# Altium PCB SVEC.pcbdoc (part 10 of 18) (continued)
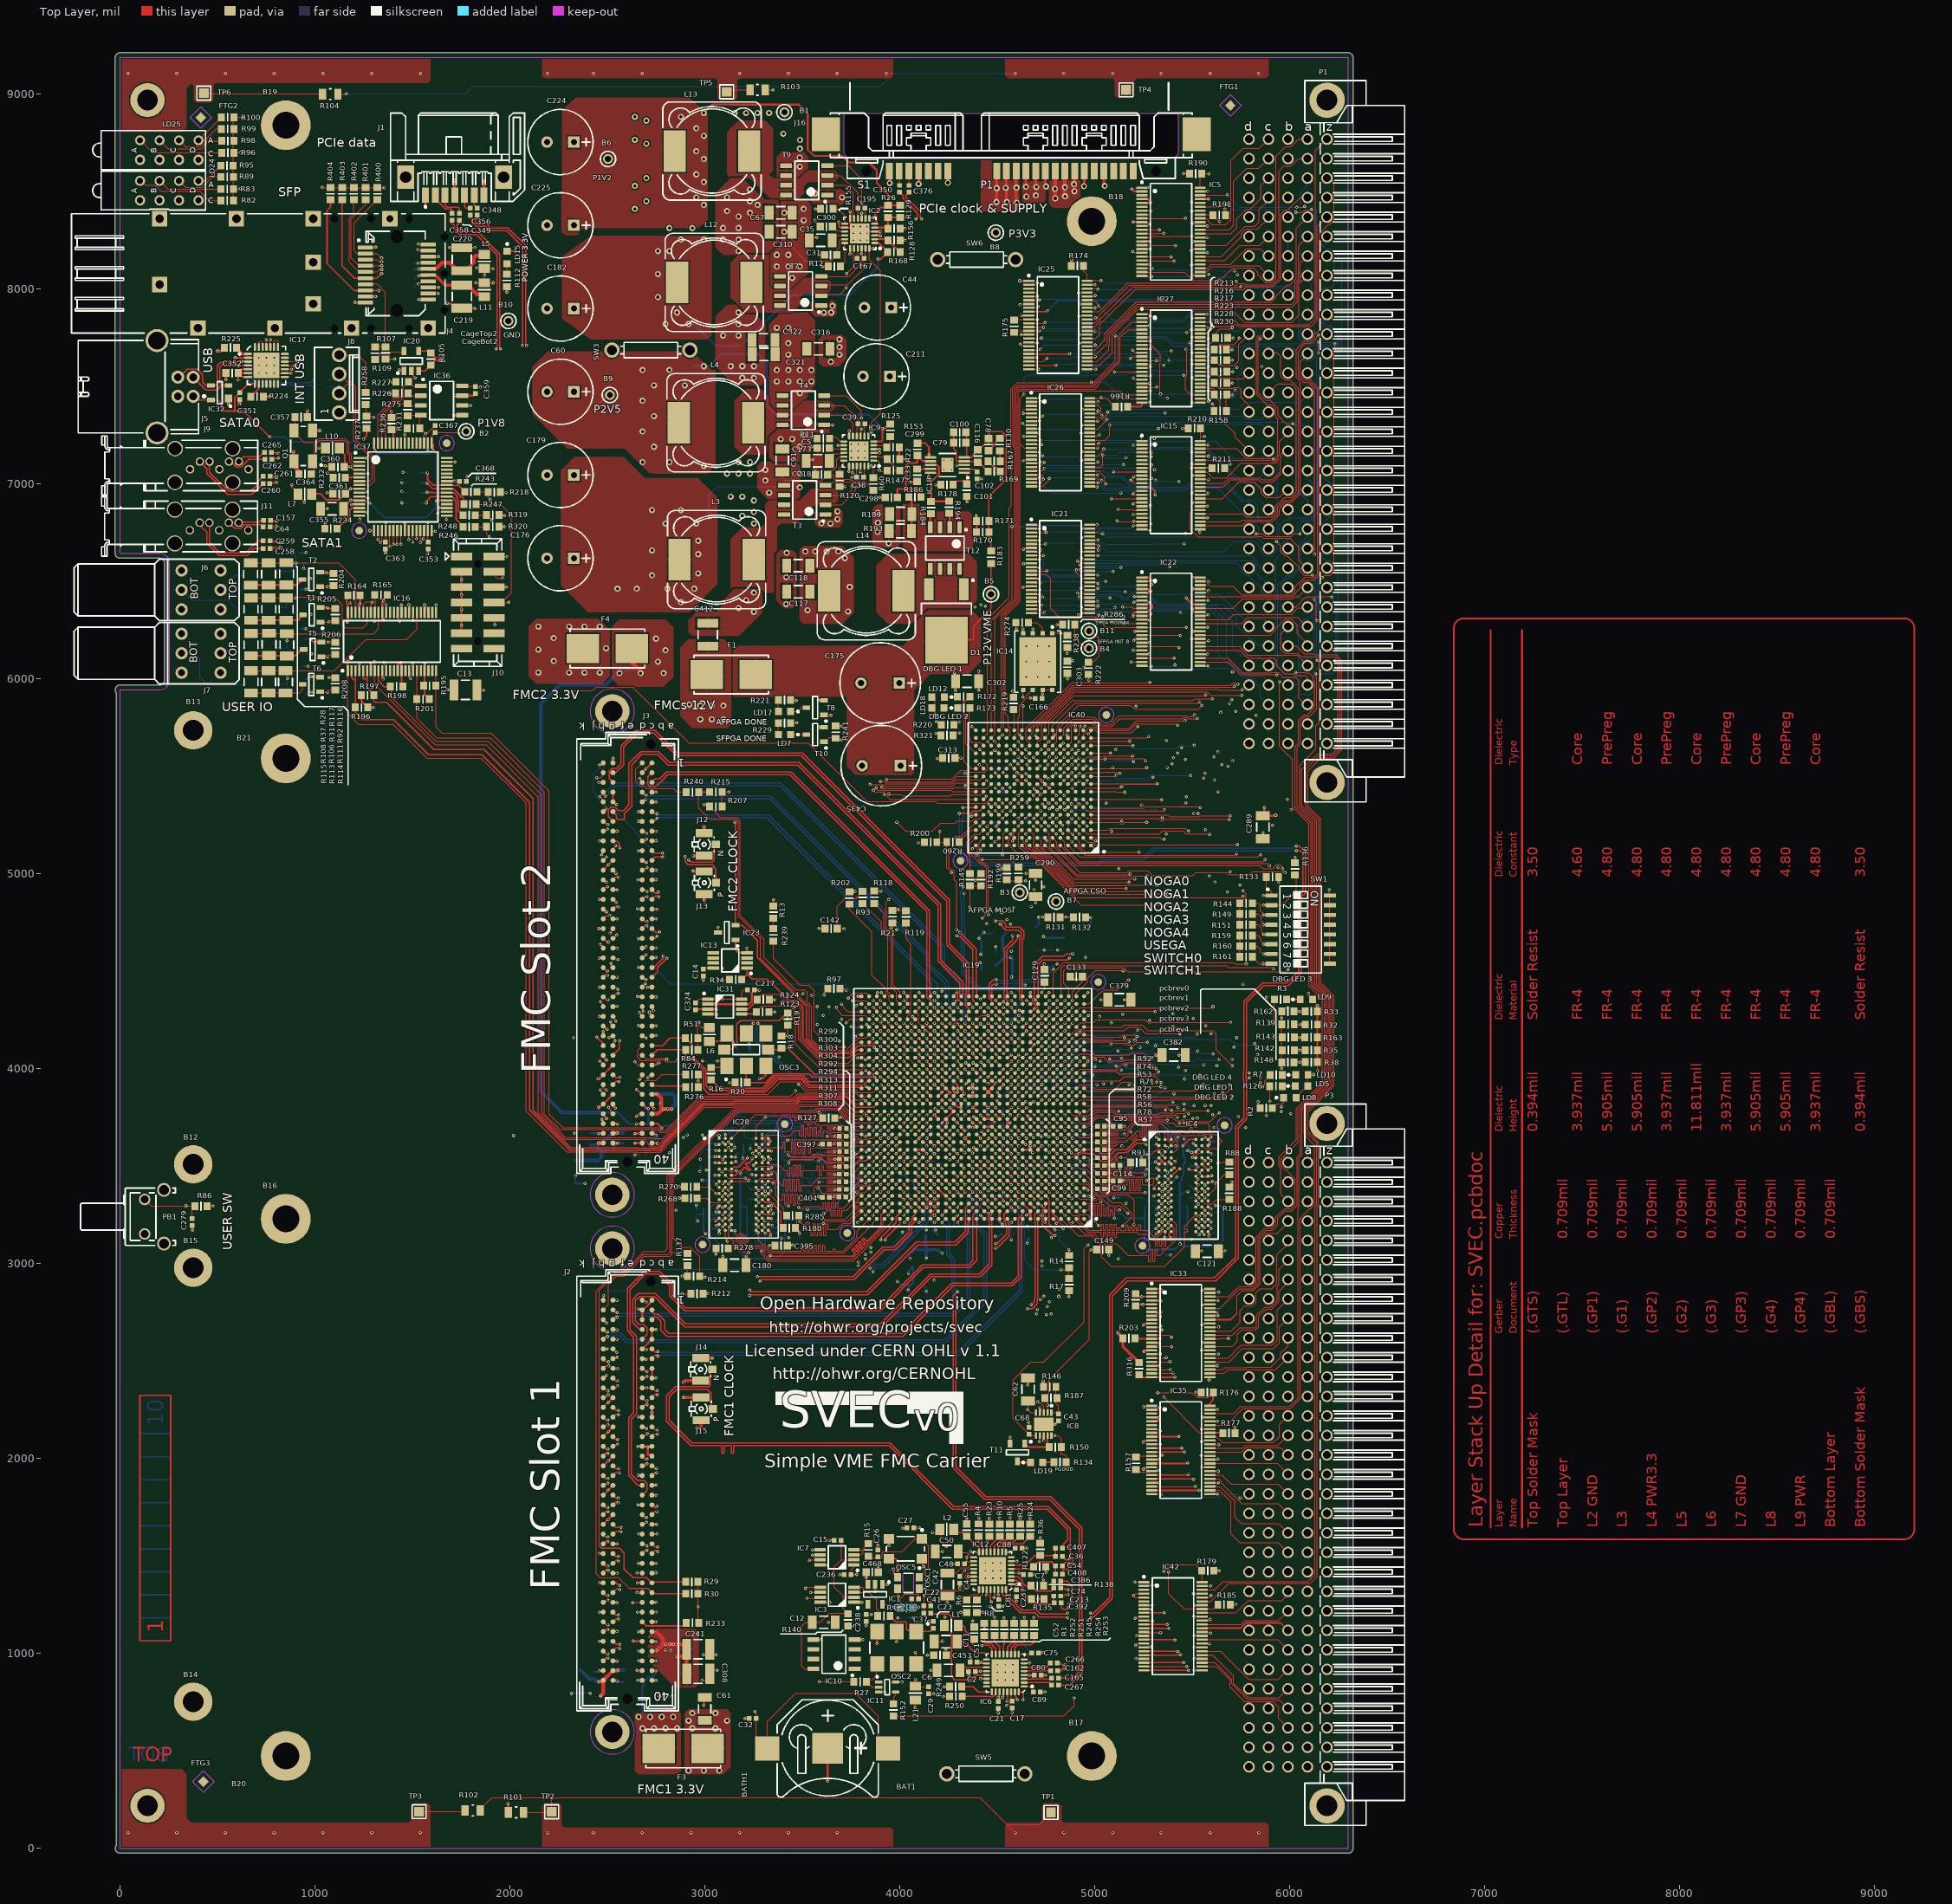
[diagram p0: Top Layer view]
## Nets (pads, with @x,y where several pads share a name; then routed paths per layer and width w, separated by ;. In a path a pad name is that pad's centre, name@x,y a point inside that pad or via, vN(x,y) a via of type N, cw(c..) or ccw(c..) an arc to the next point about the centre after c; other vN are vias at no path point) (continued)
  Top Layer w6: J1.3@1666.07,8480.73 1666.07,8431.25 1677.69,8419.64 1733.69,8419.64 1739.69,8413.64 1739.69,8400.36 C349.1@1744.05,8396
NetC350_1: C350.1 J16.S2 | length 70
  Top Layer w5: C350.1@3997.69,8531.36 J16.S2@3997.69,8601.37
NetC356_1: C356.1 J1.5 | length 90.4
  Top Layer w6: J1.5@1766.07,8480.73 1766.07,8423.25 1773.97,8415.36 C356.1@1795.69,8415.36
NetC357_2: C357.2 IC37.2 Q1.3 | length 531.7
  Top Layer w5: C357.2@897.19,7342.64 897.44,7342.39 897.44,7259.88 943.69,7213.64 1000.44,7213.64 1018.44,7231.64 1155.42,7231.64 1174.8,7212.25 1174.8,7161.95 1187.69,7149.07 1187.69,7124.64 1199.87,7112.46 IC37.2@1226.58,7112.46
NetC358_1: C358.1 J1.2 | length 144.4
  Top Layer w6: J1.2@1616.07,8480.73 1616.07,8463.75 1670.18,8409.64 1697.69,8409.64 1702.69,8404.64 C358.1@1702.69,8388.36
NetC360_2: C360.2 C365.1 IC37.4 L10.2 | length 219.8
  Top Layer w8: L10.2@1124.99,7183.51 1124.99,7177.34 1152.05,7150.28 1152.05,7097.28 1160.33,7089 v1(1181.55,7089) 1197.47,7073.09 IC37.4@1226.58,7073.09
  Bottom Layer w8: v1(1181.55,7089) 1207.05,7063.51 C365.1@1208.84,7063.51
NetC361_2: C361.2 C366.1 IC37.9 L7.2 | length 313.2
  Top Layer w8: L7.2@982.42,6958.51 991.29,6949.64 1026.42,6949.64 1058.42,6917.64 1123.69,6917.64 1180.71,6974.66 v1(1182.55,6974.66) IC37.9@1226.58,6974.66
  Bottom Layer w8: v1(1182.55,6974.66) 1196.68,6974.66 C366.1@1206.84,6964.51
NetC364_2: C364.2 IC37.3 Q1.1 | length 508.8
  Top Layer w5: C364.2@981.18,7036.64 996.69,7052.14 996.69,7197.16 1022.17,7222.64 1151.69,7222.64 1164.8,7209.53 1164.8,7157.81 1178.25,7144.36 1178.25,7115.51 1189.55,7104.21 1189.55,7103.45 1200.22,7092.77 IC37.3@1226.58,7092.77
NetC376_1: C376.1 J16.S3 | length 71
  Top Layer w5: C376.1@4046.69,8531.36 J16.S3@4046.69,8602.37
NetD2_3: D2.3 F2.1 IC16.46 R28.2 R116.2 R117.2 R244.2 | length 970.1
  Top Layer w5: R28.2@673.55,6595.59 R116.2@853.55,6595.59 1119.47,6595.59 1206.83,6508.23 1206.83,6341.82 IC16.46@1207.55,6341.11
  Bottom Layer w5: F2.1@791.26,6529.51 816.26,6554.51 822.55,6554.51 824.55,6552.51 D2.3@851.28,6552.51 877.55,6552.51 901.69,6576.64 901.69,6619.27 897.83,6623.13 897.83,6632.49 884.82,6645.51 R244.2@859.06,6645.51
  other v1: 901.69,6595.64
NetD3_3: D3.3 F5.1 IC16.43 R31.2 R37.2 R92.2 R255.2 | length 987.8
  Top Layer w5: R37.2@671.55,6414.59 R31.2@762.55,6414.59 R92.2@851.55,6414.59 893.64,6414.59 v1@894.55,6415.51 ; v1(897.55,6415.51) v1@894.55,6415.51 ; IC16.43@1266.6,6341.11 1266.6,6282.55 1246.55,6262.51 1156.55,6262.51 1141.55,6277.51 1141.55,6378.51 1101.18,6418.88 897.93,6418.88 v1@894.55,6415.51
  Bottom Layer w5: F5.1@798.26,6364.51 802.26,6368.51 854.28,6368.51 D3.3@854.41,6368.64 ; D3.3@854.41,6358.64 D3.3@854.41,6368.64 ; R255.2@863.06,6459.51 863.06,6414.51 ; v1(897.55,6415.51) 864.06,6415.51 863.06,6414.51 ; D3.3@854.41,6368.64 854.41,6380.99 863.06,6389.64 863.06,6414.51
NetD4_3: D4.3 F6.1 IC16.40 R106.2 R108.2 R111.2 R256.2 | length 941
  Top Layer w5: R108.2@671.55,6232.59 854.55,6232.59 R111.2@855.55,6231.59 ; v1(856.55,6194.51) 856.55,6230.59 R111.2@855.55,6231.59 ; IC16.40@1325.66,6341.11 1325.66,6256.61 1300.64,6231.59 R111.2@855.55,6231.59
  Bottom Layer w5: F6.1@803.26,6160.51 853.28,6160.51 D4.3@858.28,6165.51 856.55,6167.23 v1(856.55,6194.51) 855.55,6195.51 855.55,6215.51 865.06,6225.01 R256.2@865.06,6257.51
NetD5_3: D5.3 F7.1 IC16.30 R113.2 R114.2 R115.2 R257.2 | length 1236.7
  Top Layer w5: R115.2@671.55,6041.59 R113.2@761.55,6041.59 R114.2@848.55,6041.59 ; v1(858.55,6002.51) 858.55,6031.59 R114.2@848.55,6041.59 ; IC16.30@1522.51,6341.11 IC16.30@1522.51,6341.11 1522.55,6255.51 1469.55,6202.51 1259.55,6202.51 1098.64,6041.59 R114.2@848.55,6041.59
  Bottom Layer w5: F7.1@803.26,5971.51 805.26,5973.51 857.55,5973.51 ; D5.3@861.41,5960.64 857.55,5964.5 857.55,5973.51 ; R257.2@876.06,6064.51 876.06,6021.01 857.55,6002.51 857.55,5973.51
NetF2_2: F2.2 J6.2 | length 144.7
  Bottom Layer w5: J6.2@515.55,6456.01 589.05,6529.51 F2.2@629.85,6529.51
NetF5_2: F5.2 J6.1 | length 359.2
  Bottom Layer w5: J6.1@315.55,6456.01 367.05,6404.51 552.55,6404.51 592.55,6364.51 F5.2@636.85,6364.51
NetF6_2: F6.2 J7.2 | length 138.5
  Bottom Layer w5: J7.2@515.55,6131.01 536.05,6131.01 565.55,6160.51 F6.2@641.85,6160.51
NetF7_2: F7.2 J7.1 | length 448.6
  Bottom Layer w5: J7.1@315.55,6131.01 382.05,6131.01 408.55,6104.51 408.55,6008.51 445.55,5971.51 F7.2@641.85,5971.51
NetIC2_2: IC2.2 R128.2 R168.1 | length 156.8
  Top Layer w10: IC2.2@3870.7,8255.35 3932.96,8255.35 R128.2@3938.43,8249.88 3998.43,8189.88 R168.1@4000.42,8189.88
NetIC2_5: IC2.5 R26.2 R129.1 R156.1 | length 188.3
  Top Layer w10: IC2.5@3870.7,8314.4 3933.9,8314.4 R156.1@3938.43,8309.88 3938.43,8365.88 R26.2@3938.92,8366.38 R129.1@4000.92,8366.38
NetIC2_9: IC2.9 T9.4 | length 408.7
  Top Layer w5: T9.4@3628.22,8631.93 3735.13,8631.93 3805.55,8561.51 v1(3805.55,8441.51) ; v1(3803.55,8388.51) 3803.55,8361.86 IC2.9@3803.77,8361.65
  Bottom Layer w5: v1(3803.55,8388.51) 3805.55,8390.51 3806.55,8390.51 3805.55,8391.51 v1(3805.55,8441.51)
NetIC2_11: IC2.11 T9.2 | length 282.3
  Top Layer w5: T9.2@3628.22,8531.93 3723.13,8531.93 3760.55,8494.51 3760.55,8365.49 IC2.11@3764.4,8361.65
NetIC2_13: IC2.13 R155.2 | length 116.4
  Top Layer w5: R155.2@3655.91,8410.83 3680.23,8410.83 3717.15,8373.91 IC2.13@3717.15,8334.09
NetIC2_18: IC2.18 R12.2 | length 129.2
  Top Layer w5: R12.2@3695.28,8115.55 3717.15,8137.43 IC2.18@3717.15,8235.66
NetIC2_20: IC2.20 T7.2 | length 364.4
  Top Layer w5: T7.2@3596.85,7964.51 3605.85,7973.51 3693.55,7973.51 v1(3725.55,8005.51) ; v1(3726.55,8079.51) 3761.5,8114.46 3761.5,8205.21 IC2.20@3764.4,8208.1
  Bottom Layer w5: v1(3725.55,8005.51) 3726.55,8006.51 v1(3726.55,8079.51)
NetIC2_22: IC2.22 T7.4 | length 317
  Top Layer w5: T7.4@3596.85,8064.51 3597.23,8064.13 3737.18,8064.13 3793.55,8120.51 v1(3800.55,8120.51) ; v1(3802.55,8181.51) 3803.77,8182.72 IC2.22@3803.77,8208.1
  Bottom Layer w5: v1(3800.55,8120.51) 3800.55,8130.51 3799.55,8131.51 3802.55,8134.51 v1(3802.55,8181.51)
NetIC3_3: IC3.3 IC3.4 R9.2 | length 288.4
  Top Layer w5: IC3.3@3764.17,1313.8 3811.55,1313.8 ; IC3.4@3764.17,1339.39 3807.67,1339.39 3812.55,1334.51 3812.55,1314.8 3811.55,1313.8 ; R9.2@3886.06,1192 3886.06,1222 3879.55,1228.51 3879.55,1274.51 3840.26,1313.8 3811.55,1313.8
NetIC6_10: IC6.10 R253.2 | length 177.3
  Top Layer w6: IC6.10@4589.77,995.96 4589.77,1030.72 4602.55,1043.51 4672.55,1043.51 4688.08,1059.03 R253.2@4688.08,1091.51
NetIC6_11: IC6.11 R254.2 | length 140.9
  Top Layer w6: IC6.11@4570.08,995.96 4570.08,1029.03 4598.55,1057.51 4628.55,1057.51 4637.08,1066.03 R254.2@4637.08,1091.51
NetIC6_12: IC6.12 R245.2 | length 110.3
  Top Layer w6: IC6.12@4550.4,995.96 4550.4,1030.35 4586.08,1066.03 R245.2@4586.08,1091.51
NetIC6_13: IC6.13 R251.2 | length 97.4
  Top Layer w6: IC6.13@4530.71,995.96 4530.71,1043.66 4535.08,1048.03 R251.2@4535.08,1091.51
NetIC6_14: IC6.14 R252.2 | length 106.3
  Top Layer w6: R252.2@4485.08,1091.51 4485.08,1060.98 4511.03,1035.03 IC6.14@4511.03,995.96
NetIC6_15: IC6.15 R1.2 | length 133.7
  Top Layer w6: R1.2@4433.08,1091.51 4433.08,1058.98 4439.55,1052.51 4463.55,1052.51 4491.34,1024.72 IC6.15@4491.34,995.96
NetIC6_25: IC6.25 R249.2 | length 165.8
  Top Layer w6: R249.2@4317.05,830 4376.06,830 4403.01,803.05 IC6.25@4471.66,803.05
NetIC6_26: IC6.26 R250.2 | length 192
  Top Layer w6: R250.2@4318.05,780 4463.23,780 4465.9,777.33 4477.42,777.33 4491.34,791.26 IC6.26@4491.34,803.05
NetIC7_3: IC7.3 IC7.4 R15.2 | length 157.8
  Top Layer w4.75: IC7.3@3763.17,1505.8 3801.8,1505.8 3810.69,1514.69 3810.69,1531.39 ; IC7.4@3763.17,1531.39 3810.69,1531.39 ; R15.2@3838,1562.5 3810.69,1535.18 3810.69,1531.39
NetIC8_9: IC8.9 R150.1 T11.1 | length 194.9
  Top Layer w10: T11.1@4639.96,2076.78 4658.23,2058.51 R150.1@4765.06,2058.51 4757.24,2066.32 IC8.9@4757.24,2117.45
NetIC9_2: IC9.2 R22.2 R147.1 | length 173.8
  Top Layer w5: IC9.2@3865.33,7138.98 3923.59,7138.98 R22.2@3935.06,7127.51 3967.69,7094.88 3967.69,7074.64 3973.82,7068.51 R147.1@3998.05,7068.51
NetIC9_5: IC9.5 R125.2 R153.1 | length 135
  Top Layer w5: IC9.5@3865.33,7198.03 3922.53,7198.03 R153.1@3933.06,7187.51 3948.55,7203 R125.2@3948.55,7244.01
NetIC9_9: IC9.9 T4.4 | length 354.4
  Top Layer w5: T4.4@3610.85,7452.51 3723.55,7452.51 3802.55,7373.51 v1(3802.55,7336.51) ; IC9.9@3798.4,7245.28 3798.4,7265.91 3801.58,7269.1 3801.58,7280.53 v1(3802.55,7281.51)
  Bottom Layer w5: v1(3802.55,7281.51) v1(3802.55,7336.51)
NetIC9_11: IC9.11 T4.2 | length 231.1
  Top Layer w5: T4.2@3610.85,7352.51 3717.55,7352.51 3759.03,7311.03 IC9.11@3759.03,7245.28
NetIC9_13: IC9.13 R11.2 | length 83.2
  Top Layer w5: R11.2@3638.05,7240.51 3671.55,7240.51 3694.34,7217.72 IC9.13@3711.78,7217.72
NetIC9_18: IC9.18 R120.2 | length 79.1
  Top Layer w5: R120.2@3690.55,7049 3690.55,7079.51 3711.78,7100.73 IC9.18@3711.78,7119.29
NetIC9_20: IC9.20 T3.2 | length 319.6
  Top Layer w4: T3.2@3617.85,6892.51 3699.55,6892.51 3702.64,6895.59
  Top Layer w5: 3702.64,6895.59 3771.55,6964.51 3771.55,6979.51 v1(3775.55,6983.51) ; v1(3758.55,7057.51) 3758.55,7091.26 IC9.20@3759.03,7091.73
  Bottom Layer w5: v1(3758.55,7057.51) 3775.55,7040.51 v1(3775.55,6983.51)
NetIC9_22: IC9.22 T3.4 | length 314.3
  Top Layer w5: T3.4@3617.85,6992.51 3637.55,6992.51 3656.27,7011.23 3742.95,7011.23 3749.42,7004.76 3758.7,7004.76 3759.95,7003.51 3785.55,7003.51 v1(3795.55,6993.51) ; IC9.22@3798.4,7091.73 3798.4,7062.66 v1(3798.55,7062.51)
  Bottom Layer w5: v1(3795.55,6993.51) 3795.55,7032.51 3796.55,7033.51 ; 3796.55,7011.51 3796.55,7033.51 ; v1(3798.55,7062.51) 3796.55,7060.51 3796.55,7033.51
NetIC11_2: IC11.2 OSC2.4 R27.1 | length 220.2
  Top Layer w5: OSC2.4@3883.55,947.32 3883.55,914.51 3879.55,910.51 3879.55,887.51 3857.55,865.5 3818.55,865.5 3857.05,827 IC11.2@3891.25,827
NetIC11_4: IC11.4 R152.1 | length 68.5
  Top Layer w5: R152.1@3968.05,737 3968.05,776.51 3977.86,786.32 IC11.4@3977.86,801.41
NetIC12_10: IC12.10 R24.2 | length 186.9
  Top Layer w6: IC12.10@4523.77,1520.46 4523.77,1535.72 4540.84,1552.79 4543.67,1552.79 4552.38,1561.51 4629.55,1561.51 R24.2@4668.55,1600.51
NetIC12_11: IC12.11 R25.2 | length 161.2
  Top Layer w6: IC12.11@4504.08,1520.46 4504.08,1547.03 4520.84,1563.79 4539.11,1563.79 4547.83,1572.51 4584.27,1572.51 4612.27,1600.51 R25.2@4616.55,1600.51
NetIC12_12: IC12.12 R5.2 | length 128.7
  Top Layer w6: IC12.12@4484.4,1520.46 4484.4,1548.35 4510.84,1574.79 4534.55,1574.79 4560.27,1600.51 R5.2@4563.55,1600.51
NetIC12_13: IC12.13 R10.2 | length 99.5
  Top Layer w6: IC12.13@4464.71,1520.46 4464.71,1553.66 R10.2@4511.55,1600.51
NetIC12_14: IC12.14 R23.2 | length 85.7
  Top Layer w6: IC12.14@4445.03,1520.46 4445.03,1560.98 4453.55,1569.51 4453.55,1595.51 R23.2@4458.55,1600.51
NetIC12_15: IC12.15 R4.2 | length 90.1
  Top Layer w6: R4.2@4403.55,1601.51 4403.55,1569.51 4425.34,1547.72 IC12.15@4425.34,1520.46
NetIC12_25: IC12.25 R6.2 | length 96
  Top Layer w5: R6.2@4342.55,1273.5 4371.56,1302.51 4398.55,1302.51 4405.66,1309.61 IC12.25@4405.66,1327.55
NetIC12_26: IC12.26 R8.2 | length 66.8
  Top Layer w5: R8.2@4394.55,1273.5 4425.34,1304.29 IC12.26@4425.34,1327.55
NetIC14_2: IC14.2 R274.1 | length 110.8
  Top Layer w5: R274.1@4658.05,6288.51 4702.55,6288.51 4731.55,6259.51 IC14.2@4731.55,6234.18
NetIC17_1: IC17.1 R225.2 | length 64.5
  Top Layer w15: R225.2@601.94,7691.39 626.63,7666.7 IC17.1@656.2,7666.7
NetIC17_9: IC17.9 R224.1 | length 82.1
  Top Layer w8: R224.1@671.19,7447.64 711.32,7487.77 IC17.9@711.32,7513.15
NetIC17_16: IC17.16 R262.2 | length 966.9
  Top Layer w4: IC17.16@845.18,7568.27 876.32,7568.27 v1(876.69,7568.64)
  L5 w4: v1(876.69,7568.64) 892.69,7552.64 892.69,7492.7 1243.68,7141.71 1243.68,7123.45 1444.69,6922.44 v1(1444.69,6902.64)
  Bottom Layer w4: v1(1444.69,6902.64) 1477.19,6902.64 R262.2@1478.19,6901.64
NetIC17_17: IC17.17 R263.2 | length 948.6
  Top Layer w4: IC17.17@845.18,7587.96 845.86,7588.64 v1(879.69,7588.64)
  L5 w4: v1(879.69,7588.64) 900.69,7567.64 900.69,7496.01 1251.68,7145.02 1251.68,7126.76 1417.8,6960.64 v1(1445.69,6960.64)
  Bottom Layer w4: v1(1445.69,6960.64) 1451.69,6954.64 R263.2@1478.19,6954.64
NetIC17_18: IC17.18 R279.2 | length 935.9
  Top Layer w4: IC17.18@845.18,7607.64 847.18,7605.64 v1(893.69,7605.64)
  L5 w4: v1(893.69,7605.64) 908.69,7590.64 908.69,7499.33 1257.71,7150.31 1267.37,7150.31 1412.04,7005.64 v1(1445.69,7005.64)
  Bottom Layer w4: v1(1445.69,7005.64) R279.2@1478.19,7005.64
NetIC17_19: IC17.19 R315.2 | length 937.7
  Top Layer w4: IC17.19@845.18,7627.33 910,7627.33 v1(911.69,7625.64)
  L5 w4: v1(911.69,7625.64) 916.69,7620.64 916.69,7502.64 1261.02,7158.31 1270.69,7158.31 1369.35,7059.64 v1(1450.69,7059.64)
  Bottom Layer w4: v1(1450.69,7059.64) 1451.69,7058.64 R315.2@1478.19,7058.64
NetIC17_22: IC17.22 IC17.23 | length 85.6
  Top Layer w4: IC17.23@790.06,7702.13 790.06,7733.01 793.69,7736.64 806.69,7736.64 810.69,7732.64 810.69,7703.07 IC17.22@809.74,7702.13
NetIC17_26: IC17.26 IC17.27 | length 73.5
  Top Layer w4: IC17.27@711.32,7702.13 711.32,7727.32 715,7731 728,7731 731,7728 IC17.26@731,7702.13
NetIC18_8: IC18.8 R184.2 R194.1 | length 342.3
  Top Layer w10: IC18.8@4149.1,7095.51 4150.23,7096.64 4189.69,7096.64 4199.69,7086.64 4199.69,7050.64 4159.55,7010.51 R184.2@4159.55,6910 4250.55,6910 R194.1@4252.55,6912
NetIC19_A21: IC19.A21 IC19.C20 | length 95.5
  Top Layer w4: IC19.A21@4157.02,3229.64 4157.02,3247.36 4162.83,3253.17 4163.58,3253.17 4173.69,3263.28 4173.69,3271.02 4196.39,3293.72 IC19.C20@4196.39,3308.38
NetIC19_AB27: IC19.AB27 R239.2 | length 1054.7
  Top Layer w5: R239.2@3350.55,4655.01 3350.55,4564.77 3487.69,4427.64 3531.69,4427.64 3560.18,4399.15 3560.18,4192.88 3642.42,4110.64 v1(3713.69,4110.64) ; v1(3901.11,4076.1) IC19.AB27@3920.8,4056.41
  L5 w4: v1(3713.69,4110.64) 3732.39,4129.34 3908.99,4129.34 3914.69,4123.64 3914.69,4121.64 3914.99,4121.34 3914.99,4094.94 3901.11,4081.07 v1(3901.11,4076.1)
NetIC19_AC25: IC19.AC25 R21.2 | length 676.1
  Top Layer w5: v1(3954.55,4716.51) 3961.55,4723.51 R21.2@3961.55,4748.01 ; v1@3978.55,4116.51 3978.55,4115.51 v1(3979.85,4115.47) IC19.AC25@3999.54,4095.78
  L5 w5: v1(3954.55,4716.51) 3964.43,4706.63 3964.43,4130.89 v1(3979.85,4115.47)
NetIC19_AF12: IC19.AF12 R242.1 | length 163.8
  Top Layer w5: 4499.55,4228.51 4499.55,4225.69 IC19.AF12@4511.35,4213.89
  Bottom Layer w5: v1(4491.66,4233.58) 4506.75,4233.58 4526.69,4213.64 4533.42,4213.64 4556.03,4191.03 4556.03,4188.25 4565.15,4179.13 4610.9,4179.13 R242.1@4611.55,4179.79
NetIC19_B21: IC19.B21 IC19.D20 | length 134.4
  Top Layer w4: IC19.B21@4157.02,3269.01 4157.02,3285.98 4141.18,3301.82 4141.18,3315.13 4150.27,3324.22 4164.11,3324.22 4169.32,3319.01 4182.41,3319.01 4195.69,3332.29 4195.69,3347.05 IC19.D20@4196.39,3347.75
NetIC19_E12: IC19.E12 R235.1 | length 48.5
  Top Layer w5: IC19.E12@4511.35,3387.12 4529.96,3368.51 v1@4530.55,3368.51
  Bottom Layer w15: v1(4531.03,3367.44) 4532.97,3365.5 R235.1@4532.97,3346.64
NetIC19_H9: IC19.H9 R14.1 R17.2 | length 816.8
  Top Layer w5: IC19.H9@4629.46,3505.23 v1(4649.14,3485.55) ; v1(4825.55,2969.51) 4858.05,2969.51 R14.1@4867.55,2979.01 R17.2@4867.55,2923
  Bottom Layer w5: v1(4649.14,3485.55) 4636.11,3472.51 4634.55,3472.51 4634.55,3431.51 4630.55,3427.51 4630.55,3299.51 4633.69,3296.37 4633.69,3275.64 4633.52,3275.47 4633.52,3238.43 4638.31,3233.64 4638.31,3172.64 4639.31,3171.64 4639.31,3016.75 4686.55,2969.51 v1(4825.55,2969.51)
NetIC19_H25: IC19.H25 IC40.C12 | length 2473.9
  Top Layer w5: v1@3983.55,3490.51 3998.28,3505.23 IC19.H25@3999.54,3505.23 ; v1@4528.55,5094.51 4528.55,5205.77 IC40.C12@4546.76,5223.97
  L6 w4: v1@3983.55,3490.51 3962.55,3511.51 3962.55,3565.77 3938.55,3589.78 3934.74,3589.78 3800.55,3723.96 3800.55,4931.51 3850.55,4981.51 4172.55,4981.51 4275.55,5084.51 4380.55,5084.51 v1(4390.55,5094.51)
  Bottom Layer w5: v1(4390.55,5094.51) 4524.55,5094.51 v1(4527.55,5097.51)
  other v1: 3979.85,3485.55
NetIC19_L7: IC19.L7 R91.1 | length 552.6
  Top Layer w5: v1@4689.55,3606.51 4706.39,3623.34 IC19.L7@4708.2,3623.34 ; v1(5133.55,3543.51) 5159.82,3543.51 5176.06,3527.27 R91.1@5176.06,3519.51
  L3 w5: v1(4688.51,3603.66) 4703.53,3588.64 4761.69,3588.64 4763.69,3586.64 4896.71,3586.64 4904.69,3578.66 4939.69,3578.66 4957.84,3560.51 5103.55,3560.51 5120.55,3543.51 v1(5133.55,3543.51)
NetIC19_L25: IC19.L25 R127.1 | length 416.1
  Top Layer w5: R127.1@3666.05,3746.51 3690.55,3746.51 3694.55,3750.51 v1(3695.55,3750.51)
  Top Layer w10: 3985.55,3610.51 3986.7,3610.51 IC19.L25@3999.54,3623.34
  Bottom Layer w5: v1(3695.55,3750.51) 3727.55,3718.51 3866.55,3718.51 3883.55,3701.51 3910.55,3701.51 3925.18,3686.88 3925.18,3672.15 3937.69,3659.64 3944.2,3659.64 3954.86,3648.98 3954.86,3628.65 v1(3979.85,3603.66)
NetIC20_5: IC20.5 R109.1 | length 181.6
  Top Layer w5: R109.1@1290.55,7643.01 1311.06,7643.01 1345.83,7677.79 1452.25,7677.79 IC20.5@1456.15,7681.69
NetIC36_1: IC36.1 IC37.63 R227.1 | length 467.8
  Top Layer w5: IC37.63@1323.03,7208.92 1323.03,7354.27 1407.08,7438.32 1434.32,7438.32 1451.27,7455.27 1451.27,7494.22 1478.48,7521.44 R227.1@1478.48,7523.51 1499.48,7502.51 IC36.1@1542.69,7502.51
NetIC36_2: IC36.2 IC37.62 R226.1 | length 400
  Top Layer w5: IC37.62@1342.72,7208.92 1342.72,7359.81 1411.23,7428.32 1438.46,7428.32 1475.64,7465.51 R226.1@1476.48,7465.51 1489.48,7452.51 IC36.2@1542.69,7452.51
NetIC36_3: IC36.3 IC37.61 R275.2 | length 360
  Top Layer w5: IC37.61@1362.4,7208.92 1362.4,7365.36 1409.05,7412 R275.2@1474.99,7412 1484.48,7402.51 IC36.3@1542.69,7402.51
NetIC36_4: IC36.4 R231.1 R275.1 | length 139.7
  Top Layer w5: R275.1@1474.99,7349.01 1478.48,7352.51 IC36.4@1542.69,7352.51 1536.48,7346.3 R231.1@1536.48,7284.51
NetIC37_6: IC37.6 R232.2 | length 55.7
  Top Layer w8: R232.2@1170.84,7033.72 IC37.6@1226.58,7033.72
NetIC37_7: IC37.7 J8.2 R121.1 | length 769.5
  Top Layer w5: J8.2@1123.69,7464.43 1123.69,7468.64 1167.69,7512.64 1183.69,7512.64 1198.69,7497.64 1198.69,7224.64 1294.69,7128.64 1294.69,7027.64 1281.08,7014.03 IC37.7@1226.58,7014.03
  Bottom Layer w5: R121.1@1061.18,7486.64 1073.18,7498.64 1090.69,7498.64 1123.69,7465.64 J8.2@1123.69,7464.43
NetIC37_8: IC37.8 J8.3 R154.1 | length 797.6
  Top Layer w5: J8.3@1123.69,7562.85 1126.48,7562.85 1165.32,7524 1185.05,7524 1208.69,7500.37 1208.69,7228.64 1304.69,7132.64 1304.69,7016.64 1282.4,6994.35 IC37.8@1226.58,6994.35
  Bottom Layer w5: R154.1@1061.18,7538.64 1065.18,7534.64 1095.48,7534.64 J8.3@1123.69,7562.85
NetIC37_14: IC37.14 R234.1 | length 177.1
  Top Layer w8: R234.1@1112.48,6770.51 1114.55,6770.51 1172.12,6828.07 1172.97,6828.07 1178.25,6833.34 1178.25,6866.2 1188.29,6876.24 IC37.14@1226.58,6876.24
NetIC37_59: IC37.59 R236.1 R237.2 R258.2 | length 310.6
  Top Layer w5: R258.2@1259.69,7406.14 1263.55,7402.28 R237.2@1263.55,7347 1294.06,7347 v1(1299.55,7341.51) ; v1(1385.55,7307.51) 1385.55,7284.44 R236.1@1391.99,7278.01
  Top Layer w8: R236.1@1380.55,7279.51 1401.77,7258.29 IC37.59@1401.77,7208.92
  Bottom Layer w5: v1(1299.55,7341.51) 1351.55,7341.51 v1(1385.55,7307.51)
NetIC40_C4: IC40.C4 R131.1 R132.2 | length 550.7
  Top Layer w6: R131.1@4822.05,4776.51 v1(4851.55,4776.51) R132.2@4889.06,4776.51 ; IC40.C4@4861.72,5223.97 4883.18,5202.51 v1(4886.55,5202.51)
  L3 w6: v1(4851.55,4776.51) v1@4851.55,4777.51
  L5 w6: v1@4851.55,4777.51 4851.55,5116.51 4854.03,5116.51 4896.28,5158.75 4896.28,5192.78 v1(4886.55,5202.51)
NetIC40_L11: IC40.L11 R321.1 | length 424.4
  Top Layer w5: R321.1@4273.05,5721.51 v1(4307.55,5721.51) ; v1(4566.44,5558.62) IC40.L11@4586.13,5538.93
  L6 w5: v1(4307.55,5721.51) 4464.55,5721.51 4552.07,5633.99 4552.07,5631.4 4566.44,5617.03 v1(4566.44,5558.62)
NetJ3_c34: J3.c34 R276.2 | length 177.3
  Top Layer w6: J3.c34@2728.05,3918.51 2736.05,3910.51 R276.2@2902.06,3910.51
NetLD5_1: LD5.1 R126.2 | length 51.9
  Top Layer w5: R126.2@5960.05,3910.51 6009.33,3910.51 LD5.1@6011.19,3908.64
NetLD7_1: LD7.1 T10.3 | length 80.7
  Top Layer w4: LD7.1@3439.37,5713.98 T10.3@3520.08,5713.98
NetLD7_2: LD7.2 R229.1 | length 59.1
  Top Layer w4: LD7.2@3376.38,5713.98 R229.1@3376.38,5773.03
NetLD8_1: LD8.1 R2.2 | length 94.7
  Top Layer w5: R2.2@5910.18,3797.64 5933.18,3820.64 5961.69,3820.64 5968.19,3827.14 LD8.1@5968.19,3851.64
NetLD9_1: LD9.1 R3.2 | length 70.2
  Top Layer w10: R3.2@5983.05,4355.51 5983.18,4355.64 LD9.1@6053.19,4355.64
NetLD10_1: LD10.1 R7.2 | length 67.6
  Top Layer w5: R7.2@5961.05,3967.51 LD10.1@6028.69,3967.51
NetLD12_1: LD12.1 R172.2 | length 50.2
  Top Layer w5: LD12.1@4243.18,5907.64 4244.05,5908.51 R172.2@4293.06,5908.51
NetLD15_2: LD15.2 R112.1 | length 55.8
  Top Layer w5: R112.1@1983.74,8075.18 1985.74,8077.18 LD15.2@1985.74,8130.19
NetLD17_1: LD17.1 T8.3 | length 88.9
  Top Layer w4: LD17.1@3439.37,5832.09 3477.14,5832.09 3496.82,5851.77 T8.3@3520.08,5851.77
NetLD17_2: LD17.2 R221.1 | length 59.1
  Top Layer w4: LD17.2@3376.38,5832.09 R221.1@3376.38,5891.14
NetLD18_1: LD18.1 R173.2 | length 54.9
  Top Layer w5: LD18.1@4241.18,5850.64 4241.32,5850.51 R173.2@4296.06,5850.51
NetLD19_1: LD19.1 T11.3 | length 70.3
  Top Layer w10: T11.3@4602.55,1986.23 4609.28,1979.51 LD19.1@4670.06,1979.51
NetLD19_2: LD19.2 R134.1 | length 57.8
  Top Layer w10: LD19.2@4733.05,1979.51 4735.05,1981.51 R134.1@4790.06,1981.51
NetLD24_2: LD24.2 R82.2 | length 463.8
  Top Layer w5: LD24.2@102.55,8554.51 102.55,8546.51 104.69,8548.64 115.69,8548.64 131.82,8532.51 177.76,8532.51 208.85,8501.42 408.64,8501.42 456.55,8453.51 R82.2@518.06,8453.51
NetLD24_4: LD24.4 R83.2 | length 333.8
  Top Layer w5: LD24.4@202.55,8554.51 245.64,8511.42 516.97,8511.42 R83.2@518.06,8512.51
NetLD24_6: LD24.6 R89.2 | length 251.2
  Top Layer w5: LD24.6@302.55,8554.51 335.64,8521.42 421.46,8521.42 474.55,8574.51 R89.2@518.06,8574.51
NetLD24_8: LD24.8 R95.2 | length 146.8
  Top Layer w5: LD24.8@402.55,8554.51 439.06,8554.51 R95.2@517.06,8632.51
NetLD25_2: LD25.2 R96.2 | length 445
  Top Layer w5: LD25.2@102.55,8762.51 166.55,8698.51 R96.2@521.06,8698.51
NetLD25_4: LD25.4 R98.2 | length 361.2
  Top Layer w5: LD25.4@202.55,8762.51 245.64,8719.42 420.4,8719.42 445.64,8744.66 445.64,8758.8 446.35,8759.51 R98.2@521.06,8759.51
NetLD25_6: LD25.6 R99.2 | length 277.2
  Top Layer w5: LD25.6@302.55,8762.51 335.64,8729.42 416.26,8729.42 435.64,8748.8 435.64,8762.94 493.21,8820.51 R99.2@520.06,8820.51
NetLD25_8: LD25.8 R100.2 | length 166.7
  Top Layer w5: LD25.8@402.55,8762.51 402.55,8763 R100.2@520.06,8880.51
NetR13_2: R13.2 R239.1 | length 53
  Top Layer w5: R239.1@3350.55,4718 R13.2@3350.55,4771.01
NetR28_1: R28.1 R116.1 R117.1 T2.3 | length 273.4
  Top Layer w10: R28.1@673.55,6481.42 R116.1@853.55,6481.42 907.19,6481.42 T2.3@935.28,6509.51
NetR31_1: R31.1 R37.1 R92.1 T1.3 | length 278.4
  Top Layer w10: R37.1@671.55,6300.42 R31.1@762.55,6300.42 R92.1@851.55,6300.42 910.19,6300.42 T1.3@938.28,6328.51
NetR101_1: R101.1 R102.1 TP1.1 TP2.1 | length 3333.2
  Top Layer w5: R102.1@1847.92,194.51 1847.92,201.88 1907.27,261.22 2215.22,261.22 2213.55,259.55 TP2.1@2213.55,187.51 2210.55,184.51 R101.1@2069.92,184.51 ; 2203,261.22 4410.34,261.22 4548.13,123.43 ; v1@3177.55,81.51 v1(3178.05,81.01) ; v1(4590.55,81.01) 4548.13,123.43 ; TP1.1@4774.55,184.51 4713.48,123.43 4548.13,123.43
  other v1: 2190.55,81.01 2428.05,81.01 2678.05,81.01 2928.05,81.01 3428.05,81.01 3678.05,81.01 4840.55,81.01 5090.55,81.01 5340.55,81.01 5590.55,81.01 5840.55,81.01
NetR102_2: pad.E2 R102.2 TP3.1 | length 237
  Top Layer w5: TP3.1@1533.55,188.51 R102.2@1770.55,188.51
  other v1: 40.55,81.01 290.55,81.01 540.55,81.01 790.55,81.01 1040.55,81.01 1290.55,81.01 1540.55,81.01
NetR103_1: R103.1 R104.1 TP4.1 TP5.1 | length 3655.5
  Top Layer w5: R104.1@1122.65,8997.38 1124.91,8999.64 1159.69,8999.64 v1(1160.55,9000.51) ; TP5.1@3111.55,9011.51 3121.11,9021.07 R103.1@3230.71,9021.07
  Bottom Layer w5: v1@1162.69,9000.64 1768.69,9000.64 1806.55,9038.51 3900.51,9038.51 3931,9069 3931,9106 v1(4590.55,9106)
  other v1: 2190.55,9106.01 2428.05,9106.01 2678.05,9106.01 3178.05,9106.01 3428.05,9106.01 3678.05,9106.01 3928.05,9106.01 4840.55,9106 5090.55,9106 5340.55,9106 5590.55,9106 5840.55,9106
NetR104_2: pad.E1 R104.2 TP6.1 | length 614.4
  Top Layer w5: TP6.1@429.55,9004.51 432.68,9001.38 R104.2@1042.69,9001.38
  other v1: 40.55,9106.01 290.55,9106.01 540.55,9106.01 790.55,9106.01 1040.55,9106.01 1290.55,9106.01 1540.55,9106.01
NetR106_1: R106.1 R108.1 R111.1 T5.3 | length 284
  Top Layer w10: R108.1@671.55,6118.42 898.47,6118.42 930.55,6150.51 T5.3@942.28,6150.51
NetR113_1: R113.1 R114.1 R115.1 T6.3 | length 299.5
  Top Layer w5: R115.1@671.55,5927.42 R113.1@761.55,5927.42 R114.1@848.55,5927.42 920.47,5927.42 936.28,5943.23 T6.3@936.28,5971.51
NetR130_2: R130.2 R167.2 | length 54.5
  Top Layer w6: R130.2@4512.55,7170.01 4512.55,7119 R167.2@4515.05,7116.51
NetR167_1: R167.1 R169.1 | length 84.9
  Top Layer w6: R167.1@4452.06,7116.51 4482.06,7086.51 4492.05,7086.51 R169.1@4515.05,7063.51
NetR184_1: R184.1 T12.4 | length 71.9
  Top Layer w10: T12.4@4155.55,6776.81 4155.55,6843.01 R184.1@4159.55,6847.01
NetR194_2: R194.2 T12.2 | length 73.4
  Top Layer w10: R194.2@4252.55,6849.01 4255.55,6846.01 T12.2@4255.55,6776.81
NOGA0: IC19.AE26 IC40.E13 R133.1 SW1.1 | length 3227
  Top Layer w5: v1@3938.81,4189.43 3939.06,4189.43 3939.14,4189.51 3945.18,4189.51 IC19.AE26@3960.17,4174.52 ; v1(4488.55,5324.51) 4507.39,5305.67 IC40.E13@4507.39,5302.71 ; v1@5867.55,4888.51 SW1.1@5905.95,4888.51 5905.95,4903.11 5879.06,4930 R133.1@5879.06,4983.51
  L6 w4: v1@3938.81,4189.43 3939.06,4189.43 3939.06,4216.32 3955.55,4232.82 3955.55,4336.51 3939.68,4352.38 3939.68,4643.63 4110.68,4814.63 4493.68,4814.63 v1(4494.55,4815.51) 4571.93,4815.51 4575.81,4811.63 5790.68,4811.63 v1@5867.55,4888.51
  L5 w5: v1(4488.55,5324.51) 4479.18,5315.13 4479.18,5204.36 4472.33,5197.51 4472.33,5119.18 4483.55,5107.95 4483.55,4826.51 v1(4494.55,4815.51)
  other v1: 3940.48,4194.21 5864.69,4887.64
NOGA1: IC19.P23 IC40.E12 R136.1 SW1.2 | length 3798.2
  Top Layer w5: v1(4058.59,3721.77) IC19.P23@4078.28,3741.45 ; v1(4527.07,5283.02) IC40.E12@4546.76,5302.71 ; v1@5867.55,4835.51 5867.55,4838.51 SW1.2@5905.95,4838.51 5961.55,4838.51 6034.05,4911.01 6034.05,4990.51 R136.1@6035.55,4992.01
  L6 w4: v1(4058.59,3721.77) 4033.1,3747.26 4033.1,3951.43 4033.43,3951.76 4033.43,3963.4 3975.55,4021.28 3975.55,4022.51 3975.21,4022.85 3974.11,4022.85 3962.68,4034.28 3962.68,4214.51 3963.55,4215.38 3963.55,4656.19 4111.88,4804.51 4458.43,4804.51 4463.07,4799.88 4502.18,4799.88 4502.55,4799.51 5831.55,4799.51 5867.55,4835.51 v1@5867.55,4838.51
  L5 w5: v1(4522.55,4800.51) 4522.55,4807.83 4503.08,4827.31 4503.08,5103.64 4527.07,5127.64 v1(4527.07,5283.02)
  other v1: 5864.69,4838.64
NOGA2: IC19.Y24 IC40.B15 R144.1 SW1.3 | length 3234.4
  Top Layer w5: v1(4019.22,3997.36) IC19.Y24@4038.91,3977.67 ; IC40.B15@4428.65,5184.6 4406.62,5162.57 4406.62,5137.34 4397.18,5127.9 4397.18,5115.14 4406.62,5105.7 4406.62,5069.11 4416.6,5059.13 4425.66,5059.13 4452.55,5032.23 4452.55,4790.77 v1(4452.69,4790.64) ; R144.1@5807.05,4848.51 5837.55,4848.51 5848.55,4837.51 5848.55,4811.51 v1@5871.55,4788.51 ; v1@5867.55,4788.51 v1@5871.55,4788.51 ; SW1.3@5905.95,4788.51 v1@5871.55,4788.51
  L6 w4: v1(4019.22,3997.36) 4019.22,4000.27 3998.43,4021.07 3998.43,4666.38 4116.18,4784.13 4400.18,4784.13 4403.56,4787.51 4515.93,4787.51 4516.81,4786.63 4678.57,4786.63 4715.07,4750.13 5827.18,4750.13 5865.55,4788.51 v1@5867.55,4788.51
  other v1: 5864.69,4788.64
NOGA3: IC19.Y23 IC40.B16 R149.1 SW1.4 | length 3232.7
  Top Layer w5: v1@4057.55,3997.51 4057.7,3997.36 v1(4058.59,3997.36) IC19.Y23@4078.28,3977.67 ; IC40.B16@4389.28,5184.6 4354.22,5149.54 4354.22,5138.57 4355.55,5137.23 4355.55,5109.18 4386.55,5078.18 4386.55,5076.45 4412.87,5050.13 4421.93,5050.13 4443.55,5028.51 4443.55,4801.83 4438.31,4796.59 4438.31,4787.27 4423.69,4772.64 v1(4422.69,4773.64) ; R149.1@5807.05,4793.51 5837.55,4793.51 5852.55,4778.51 5852.55,4755.51 v1@5869.55,4738.51 ; v1@5867.55,4738.51 v1@5869.55,4738.51 ; SW1.4@5905.95,4738.51 v1@5869.55,4738.51
  L6 w4: 4033.1,4168.05 4033.1,4392.64 4036.43,4395.97 4036.43,4688.38 4121.69,4773.64 v1(4422.69,4773.64) 4425.81,4776.77 4458.43,4776.77 4461.05,4779.38 4512.75,4779.38 4513.49,4778.63 4564.3,4778.63 4564.55,4778.38 4672.68,4778.38 4712.55,4738.51 v1@5867.55,4738.51
  L6 w5: 4033.1,4168.05 4033.1,4161.29 4033.6,4160.79 4033.6,4054.73 4057.55,4030.77 v1@4057.55,3997.51
  other v1: 5863.69,4738.51